# Altium PCB POT 10x8.PcbDoc (part 3 of 4)
Units mm, origin at the board's own origin, x right, y up, seen from the top; angles counter-clockwise.
Board outline 130 x 71 mm, 4 copper layers (Top Layer, Mid Layer 1, Mid Layer 2, Bottom Layer), stack 0.97 mm thick; 325 components, 354 nets, 1535 pads, 954 vias.
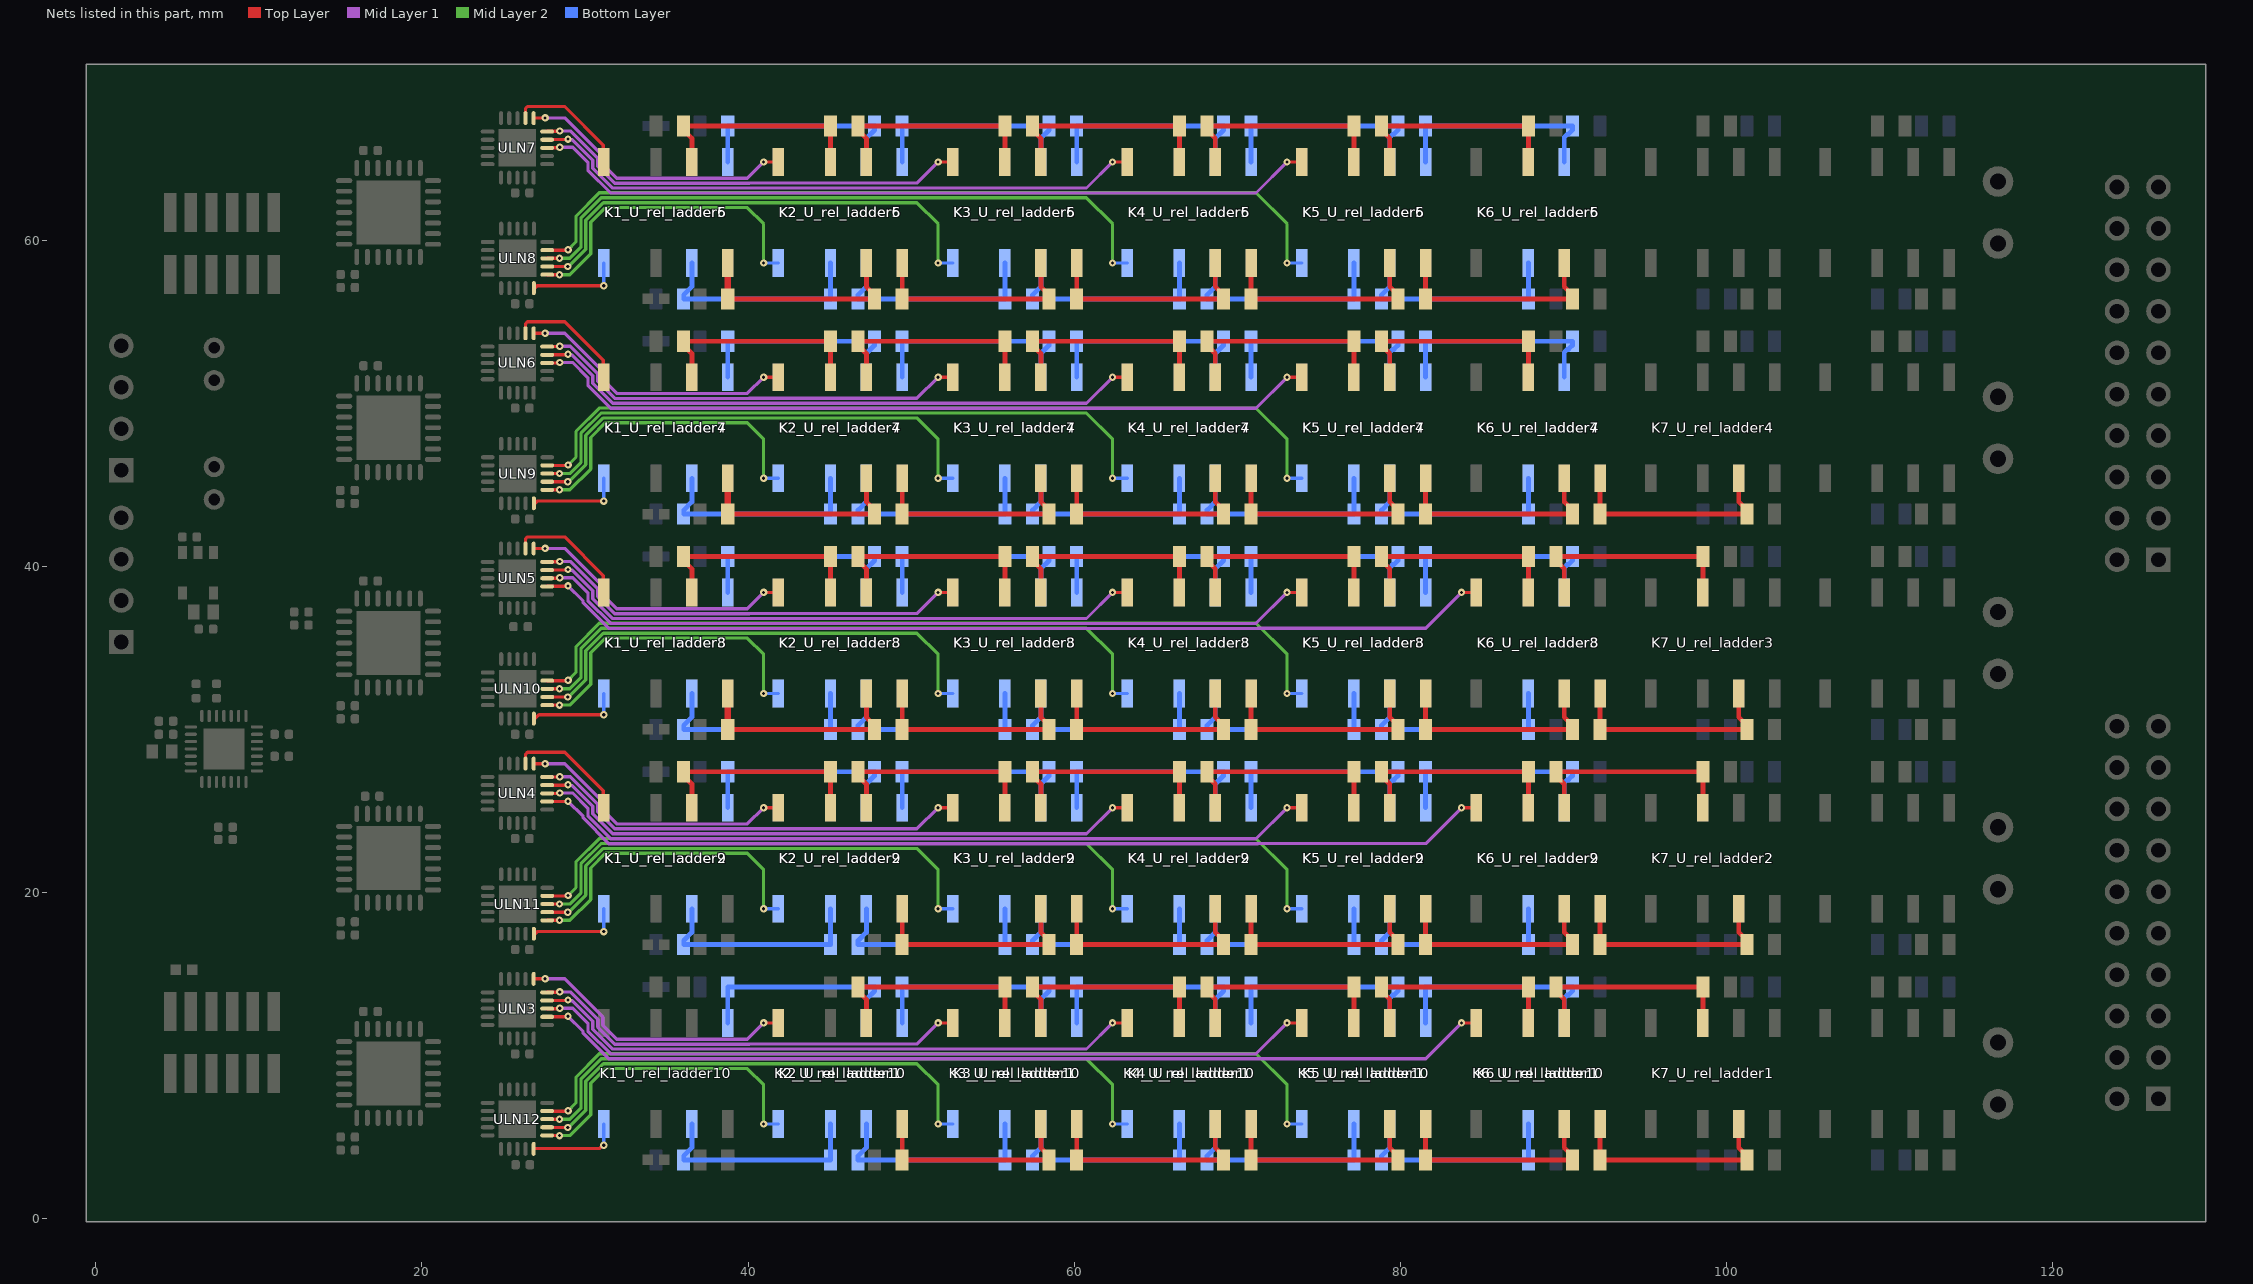
[diagram p5: the nets of this part, all layers, seen from the top]

## Via types
v1: diameter 0.45, hole 0.2, Top Layer to Bottom Layer, 851 vias
v2: diameter 0.5, hole 0.2, Top Layer to Bottom Layer, 85 vias
v3: diameter 0.8, hole 0.4, Top Layer to Bottom Layer, 10 vias
v4: diameter 0.66, hole 0.33, Top Layer to Bottom Layer, 4 vias
v5: diameter 5.5, hole 3, Top Layer to Bottom Layer, 4 vias

## Nets (pads, with @x,y where several pads share a name; then routed paths per layer and width w, separated by ;. In a path a pad name is that pad's centre, name@x,y a point inside that pad or via, vN(x,y) a via of type N, cw(c..) or ccw(c..) an arc to the next point about the centre after c; other vN are vias at no path point) (continued)
NetK1_U_rel_ladder2_6: K1_U_rel_ladder2.6 K2_U_rel_ladder2.7 R13_U_rel_ladder2.2 R15_U_rel_ladder2.1 | length 13.6
  Top Layer w0.3: K1_U_rel_ladder2.6@36.55,25.2 36.55,26.65 36.05,27.15 R15_U_rel_ladder2.1@36.05,27.4 R13_U_rel_ladder2.2@45.05,27.4 K2_U_rel_ladder2.7@45.05,25.2
NetK1_U_rel_ladder2_8: K1_U_rel_ladder2.8 ULN4.17 | length 7.4
  Top Layer w0.2: ULN4.17@26.35,27.9 26.35,28.483 26.467,28.6 28.75,28.6 31.117,26.233 31.117,25.233 K1_U_rel_ladder2.8@31.15,25.2
NetK1_U_rel_ladder3_4: K1_U_rel_ladder3.4 K2_U_rel_ladder3.3 R14_U_rel_ladder3.2 R16_U_rel_ladder3.1 | length 13.6
  Top Layer w0.3: R16_U_rel_ladder3.1@38.75,30 R14_U_rel_ladder3.2@47.75,30 47.75,30.25 47.25,30.75 K2_U_rel_ladder3.3@47.25,32.2
  Top Layer w0.381: R16_U_rel_ladder3.1@38.75,30 K1_U_rel_ladder3.4@38.75,32.2
NetK1_U_rel_ladder3_6: K1_U_rel_ladder3.6 K2_U_rel_ladder3.7 R13_U_rel_ladder3.2 R15_U_rel_ladder3.1 | length 13.6
  Top Layer w0.3: K1_U_rel_ladder3.6@36.55,38.4 36.55,39.85 36.05,40.35 R15_U_rel_ladder3.1@36.05,40.6 R13_U_rel_ladder3.2@45.05,40.6 K2_U_rel_ladder3.7@45.05,38.4
NetK1_U_rel_ladder3_8: K1_U_rel_ladder3.8 ULN5.17 | length 7.4
  Top Layer w0.2: ULN5.17@26.35,41.1 26.35,41.683 26.467,41.8 28.75,41.8 31.117,39.433 31.117,38.433 K1_U_rel_ladder3.8@31.15,38.4
NetK1_U_rel_ladder4_4: K1_U_rel_ladder4.4 K2_U_rel_ladder4.3 R14_U_rel_ladder4.2 R16_U_rel_ladder4.1 | length 13.6
  Top Layer w0.3: R16_U_rel_ladder4.1@38.75,43.2 R14_U_rel_ladder4.2@47.75,43.2 47.75,43.45 47.25,43.95 K2_U_rel_ladder4.3@47.25,45.4
  Top Layer w0.381: R16_U_rel_ladder4.1@38.75,43.2 K1_U_rel_ladder4.4@38.75,45.4
NetK1_U_rel_ladder4_6: K1_U_rel_ladder4.6 K2_U_rel_ladder4.7 R13_U_rel_ladder4.2 R15_U_rel_ladder4.1 | length 13.6
  Top Layer w0.3: K1_U_rel_ladder4.6@36.55,51.6 36.55,53.05 36.05,53.55 R15_U_rel_ladder4.1@36.05,53.8 R13_U_rel_ladder4.2@45.05,53.8 K2_U_rel_ladder4.7@45.05,51.6
NetK1_U_rel_ladder4_8: K1_U_rel_ladder4.8 ULN6.17 | length 7.4
  Top Layer w0.2: ULN6.17@26.35,54.3 26.35,54.883 26.467,55 28.75,55 31.117,52.633 31.117,51.633 K1_U_rel_ladder4.8@31.15,51.6
NetK1_U_rel_ladder5_4: K1_U_rel_ladder5.4 K2_U_rel_ladder5.3 R14_U_rel_ladder5.2 R16_U_rel_ladder5.1 | length 13.6
  Top Layer w0.3: R16_U_rel_ladder5.1@38.75,56.4 R14_U_rel_ladder5.2@47.75,56.4 47.75,56.65 47.25,57.15 K2_U_rel_ladder5.3@47.25,58.6
  Top Layer w0.381: R16_U_rel_ladder5.1@38.75,56.4 K1_U_rel_ladder5.4@38.75,58.6
NetK1_U_rel_ladder5_6: K1_U_rel_ladder5.6 K2_U_rel_ladder5.7 R13_U_rel_ladder5.2 R15_U_rel_ladder5.1 | length 13.6
  Top Layer w0.3: K1_U_rel_ladder5.6@36.55,64.8 36.55,66.25 36.05,66.75 R15_U_rel_ladder5.1@36.05,67 R13_U_rel_ladder5.2@45.05,67 K2_U_rel_ladder5.7@45.05,64.8
NetK1_U_rel_ladder5_8: K1_U_rel_ladder5.8 ULN7.17 | length 7.4
  Top Layer w0.2: ULN7.17@26.35,67.5 26.35,68.083 26.467,68.2 28.75,68.2 31.117,65.833 31.117,64.833 K1_U_rel_ladder5.8@31.15,64.8
NetK1_U_rel_ladder6_4: K1_U_rel_ladder6.4 K2_U_rel_ladder6.3 R14_U_rel_ladder6.2 R16_U_rel_ladder6.1 | length 13.6
  Bottom Layer w0.3: K1_U_rel_ladder6.4@38.75,64.8 R16_U_rel_ladder6.1@38.75,67 R14_U_rel_ladder6.2@47.75,67 47.75,66.75 47.25,66.25 K2_U_rel_ladder6.3@47.25,64.8
NetK1_U_rel_ladder6_6: K1_U_rel_ladder6.6 K2_U_rel_ladder6.7 R13_U_rel_ladder6.2 R15_U_rel_ladder6.1 | length 13.6
  Bottom Layer w0.3: K1_U_rel_ladder6.6@36.55,58.6 36.55,57.15 36.05,56.65 R15_U_rel_ladder6.1@36.05,56.4 R13_U_rel_ladder6.2@45.05,56.4 K2_U_rel_ladder6.7@45.05,58.6
NetK1_U_rel_ladder6_8: K1_U_rel_ladder6.8 ULN8.10 | length 5.8
  Top Layer w0.2: ULN8.10@26.859,57.063 26.859,57.036 26.882,57.013 27.069,57.2 v1(31.15,57.2)
  Bottom Layer w0.2: v1(31.15,57.2) K1_U_rel_ladder6.8@31.15,58.6
NetK1_U_rel_ladder7_4: K1_U_rel_ladder7.4 K2_U_rel_ladder7.3 R14_U_rel_ladder7.2 R16_U_rel_ladder7.1 | length 13.6
  Bottom Layer w0.3: K1_U_rel_ladder7.4@38.75,51.6 R16_U_rel_ladder7.1@38.75,53.8 R14_U_rel_ladder7.2@47.75,53.8 47.75,53.55 47.25,53.05 K2_U_rel_ladder7.3@47.25,51.6
NetK1_U_rel_ladder7_6: K1_U_rel_ladder7.6 K2_U_rel_ladder7.7 R13_U_rel_ladder7.2 R15_U_rel_ladder7.1 | length 13.6
  Bottom Layer w0.3: K1_U_rel_ladder7.6@36.55,45.4 36.55,43.95 36.05,43.45 R15_U_rel_ladder7.1@36.05,43.2 R13_U_rel_ladder7.2@45.05,43.2 K2_U_rel_ladder7.7@45.05,45.4
NetK1_U_rel_ladder7_8: K1_U_rel_ladder7.8 ULN9.10 | length 5.8
  Top Layer w0.2: ULN9.10@26.859,43.863 26.859,43.836 26.882,43.813 27.069,44 v1(31.15,44)
  Bottom Layer w0.2: v1(31.15,44) K1_U_rel_ladder7.8@31.15,45.4
NetK1_U_rel_ladder8_4: K1_U_rel_ladder8.4 K2_U_rel_ladder8.3 R14_U_rel_ladder8.2 R16_U_rel_ladder8.1 | length 13.6
  Bottom Layer w0.3: K1_U_rel_ladder8.4@38.75,38.4 R16_U_rel_ladder8.1@38.75,40.6 R14_U_rel_ladder8.2@47.75,40.6 47.75,40.35 47.25,39.85 K2_U_rel_ladder8.3@47.25,38.4
NetK1_U_rel_ladder8_6: K1_U_rel_ladder8.6 K2_U_rel_ladder8.7 R13_U_rel_ladder8.2 R15_U_rel_ladder8.1 | length 13.6
  Bottom Layer w0.3: K1_U_rel_ladder8.6@36.55,32.2 36.55,30.75 36.05,30.25 R15_U_rel_ladder8.1@36.05,30 R13_U_rel_ladder8.2@45.05,30 K2_U_rel_ladder8.7@45.05,32.2
NetK1_U_rel_ladder8_8: K1_U_rel_ladder8.8 ULN10.10 | length 5.7
  Top Layer w0.2: ULN10.10@26.859,30.663 26.859,30.636 26.882,30.613 27.169,30.9 v1(31.15,30.9)
  Bottom Layer w0.2: v1(31.15,30.9) K1_U_rel_ladder8.8@31.15,32.2
NetK1_U_rel_ladder9_4: K1_U_rel_ladder9.4 K2_U_rel_ladder9.3 R14_U_rel_ladder9.2 R16_U_rel_ladder9.1 | length 13.6
  Bottom Layer w0.3: K1_U_rel_ladder9.4@38.75,25.2 R16_U_rel_ladder9.1@38.75,27.4 R14_U_rel_ladder9.2@47.75,27.4 47.75,27.15 47.25,26.65 K2_U_rel_ladder9.3@47.25,25.2
NetK1_U_rel_ladder9_6: K1_U_rel_ladder9.6 K2_U_rel_ladder9.7 R13_U_rel_ladder9.2 R15_U_rel_ladder9.1 | length 13.6
  Bottom Layer w0.3: K1_U_rel_ladder9.6@36.55,19 36.55,17.55 36.05,17.05 R15_U_rel_ladder9.1@36.05,16.8 R13_U_rel_ladder9.2@45.05,16.8 K2_U_rel_ladder9.7@45.05,19
NetK1_U_rel_ladder9_8: K1_U_rel_ladder9.8 ULN11.10 | length 5.8
  Top Layer w0.2: ULN11.10@26.859,17.463 26.859,17.436 26.882,17.413 27.069,17.6 v1(31.15,17.6)
  Bottom Layer w0.2: v1(31.15,17.6) K1_U_rel_ladder9.8@31.15,19
NetK1_U_rel_ladder10_4: K1_U_rel_ladder10.4 K2_U_rel_ladder10.3 R14_U_rel_ladder10.2 R16_U_rel_ladder10.1 | length 13.6
  Bottom Layer w0.3: K1_U_rel_ladder10.4@38.75,12 R16_U_rel_ladder10.1@38.75,14.2 R14_U_rel_ladder10.2@47.75,14.2 47.75,13.95 47.25,13.45 K2_U_rel_ladder10.3@47.25,12
NetK1_U_rel_ladder10_6: K1_U_rel_ladder10.6 K2_U_rel_ladder10.7 R13_U_rel_ladder10.2 R15_U_rel_ladder10.1 | length 13.6
  Bottom Layer w0.3: K1_U_rel_ladder10.6@36.55,5.8 36.55,4.35 36.05,3.85 R15_U_rel_ladder10.1@36.05,3.6 R13_U_rel_ladder10.2@45.05,3.6 K2_U_rel_ladder10.7@45.05,5.8
NetK1_U_rel_ladder10_8: K1_U_rel_ladder10.8 ULN12.10 | length 5.7
  Top Layer w0.2: ULN12.10@26.85,4.275 26.85,4.277 26.873,4.3 30.894,4.3 31.094,4.5 v1(31.15,4.5)
  Bottom Layer w0.2: v1(31.15,4.5) K1_U_rel_ladder10.8@31.15,5.8
NetK2_U_rel_ladder1_4: K2_U_rel_ladder1.4 K3_U_rel_ladder1.3 R12_U_rel_ladder1.2 R14_U_rel_ladder1.1 | length 13.6
  Top Layer w0.3: K2_U_rel_ladder1.4@49.45,5.8 R14_U_rel_ladder1.1@49.45,3.6 R12_U_rel_ladder1.2@58.45,3.6 58.45,3.85 57.95,4.35 K3_U_rel_ladder1.3@57.95,5.8
NetK2_U_rel_ladder1_6: K2_U_rel_ladder1.6 K3_U_rel_ladder1.7 R11_U_rel_ladder1.2 R13_U_rel_ladder1.1 | length 13.6
  Top Layer w0.3: K2_U_rel_ladder1.6@47.25,12 47.25,13.45 46.75,13.95 R13_U_rel_ladder1.1@46.75,14.2 R11_U_rel_ladder1.2@55.75,14.2 K3_U_rel_ladder1.7@55.75,12
NetK2_U_rel_ladder1_8: K2_U_rel_ladder1.8 ULN3.16 | length 17.2
  Top Layer w0.2: ULN3.16@26.85,14.7 v1(27.55,14.7) ; v1(40.95,12) K2_U_rel_ladder1.8@41.85,12
  Mid Layer 1 w0.2: v1(27.55,14.7) 28.75,14.7 31.083,12.367 31.083,11.867 31.95,11 39.95,11 v1(40.95,12)
NetK2_U_rel_ladder2_4: K2_U_rel_ladder2.4 K3_U_rel_ladder2.3 R12_U_rel_ladder2.2 R14_U_rel_ladder2.1 | length 13.6
  Top Layer w0.3: K2_U_rel_ladder2.4@49.45,19 R14_U_rel_ladder2.1@49.45,16.8 R12_U_rel_ladder2.2@58.45,16.8 58.45,17.05 57.95,17.55 K3_U_rel_ladder2.3@57.95,19
NetK2_U_rel_ladder2_6: K2_U_rel_ladder2.6 K3_U_rel_ladder2.7 R11_U_rel_ladder2.2 R13_U_rel_ladder2.1 | length 13.6
  Top Layer w0.3: K2_U_rel_ladder2.6@47.25,25.2 47.25,26.65 46.75,27.15 R13_U_rel_ladder2.1@46.75,27.4 R11_U_rel_ladder2.2@55.75,27.4 K3_U_rel_ladder2.7@55.75,25.2
NetK2_U_rel_ladder2_8: K2_U_rel_ladder2.8 ULN4.16 | length 17.2
  Top Layer w0.2: ULN4.16@26.85,27.9 v1(27.55,27.9) ; v1(40.95,25.2) K2_U_rel_ladder2.8@41.85,25.2
  Mid Layer 1 w0.2: v1(27.55,27.9) 28.75,27.9 31.083,25.567 31.083,25.067 31.95,24.2 39.95,24.2 v1(40.95,25.2)
NetK2_U_rel_ladder3_4: K2_U_rel_ladder3.4 K3_U_rel_ladder3.3 R12_U_rel_ladder3.2 R14_U_rel_ladder3.1 | length 13.6
  Top Layer w0.3: K2_U_rel_ladder3.4@49.45,32.2 R14_U_rel_ladder3.1@49.45,30 R12_U_rel_ladder3.2@58.45,30 58.45,30.25 57.95,30.75 K3_U_rel_ladder3.3@57.95,32.2
NetK2_U_rel_ladder3_6: K2_U_rel_ladder3.6 K3_U_rel_ladder3.7 R11_U_rel_ladder3.2 R13_U_rel_ladder3.1 | length 13.6
  Top Layer w0.3: K2_U_rel_ladder3.6@47.25,38.4 47.25,39.85 46.75,40.35 R13_U_rel_ladder3.1@46.75,40.6 R11_U_rel_ladder3.2@55.75,40.6 K3_U_rel_ladder3.7@55.75,38.4
NetK2_U_rel_ladder3_8: K2_U_rel_ladder3.8 ULN5.16 | length 17.2
  Top Layer w0.2: ULN5.16@26.85,41.1 v1(27.55,41.1) ; v1(40.95,38.4) K2_U_rel_ladder3.8@41.85,38.4
  Mid Layer 1 w0.2: v1(27.55,41.1) 28.75,41.1 31.083,38.767 31.083,38.267 31.95,37.4 39.95,37.4 v1(40.95,38.4)
NetK2_U_rel_ladder4_4: K2_U_rel_ladder4.4 K3_U_rel_ladder4.3 R12_U_rel_ladder4.2 R14_U_rel_ladder4.1 | length 13.6
  Top Layer w0.3: K2_U_rel_ladder4.4@49.45,45.4 R14_U_rel_ladder4.1@49.45,43.2 R12_U_rel_ladder4.2@58.45,43.2 58.45,43.45 57.95,43.95 K3_U_rel_ladder4.3@57.95,45.4
NetK2_U_rel_ladder4_6: K2_U_rel_ladder4.6 K3_U_rel_ladder4.7 R11_U_rel_ladder4.2 R13_U_rel_ladder4.1 | length 13.6
  Top Layer w0.3: K2_U_rel_ladder4.6@47.25,51.6 47.25,53.05 46.75,53.55 R13_U_rel_ladder4.1@46.75,53.8 R11_U_rel_ladder4.2@55.75,53.8 K3_U_rel_ladder4.7@55.75,51.6
NetK2_U_rel_ladder4_8: K2_U_rel_ladder4.8 ULN6.16 | length 17.2
  Top Layer w0.2: ULN6.16@26.85,54.3 v1(27.55,54.3) ; v1(40.95,51.6) K2_U_rel_ladder4.8@41.85,51.6
  Mid Layer 1 w0.2: v1(27.55,54.3) 28.75,54.3 31.083,51.967 31.083,51.467 31.95,50.6 39.95,50.6 v1(40.95,51.6)
NetK2_U_rel_ladder5_4: K2_U_rel_ladder5.4 K3_U_rel_ladder5.3 R12_U_rel_ladder5.2 R14_U_rel_ladder5.1 | length 13.6
  Top Layer w0.3: K2_U_rel_ladder5.4@49.45,58.6 R14_U_rel_ladder5.1@49.45,56.4 R12_U_rel_ladder5.2@58.45,56.4 58.45,56.65 57.95,57.15 K3_U_rel_ladder5.3@57.95,58.6
NetK2_U_rel_ladder5_6: K2_U_rel_ladder5.6 K3_U_rel_ladder5.7 R11_U_rel_ladder5.2 R13_U_rel_ladder5.1 | length 13.6
  Top Layer w0.3: K2_U_rel_ladder5.6@47.25,64.8 47.25,66.25 46.75,66.75 R13_U_rel_ladder5.1@46.75,67 R11_U_rel_ladder5.2@55.75,67 K3_U_rel_ladder5.7@55.75,64.8
NetK2_U_rel_ladder5_8: K2_U_rel_ladder5.8 ULN7.16 | length 17.2
  Top Layer w0.2: ULN7.16@26.85,67.5 v1(27.55,67.5) ; v1(40.95,64.8) K2_U_rel_ladder5.8@41.85,64.8
  Mid Layer 1 w0.2: v1(27.55,67.5) 28.75,67.5 31.083,65.167 31.083,64.667 31.95,63.8 39.95,63.8 v1(40.95,64.8)
NetK2_U_rel_ladder6_4: K2_U_rel_ladder6.4 K3_U_rel_ladder6.3 R12_U_rel_ladder6.2 R14_U_rel_ladder6.1 | length 13.6
  Bottom Layer w0.3: K2_U_rel_ladder6.4@49.45,64.8 R14_U_rel_ladder6.1@49.45,67 R12_U_rel_ladder6.2@58.45,67 58.45,66.75 57.95,66.25 K3_U_rel_ladder6.3@57.95,64.8
NetK2_U_rel_ladder6_6: K2_U_rel_ladder6.6 K3_U_rel_ladder6.7 R11_U_rel_ladder6.2 R13_U_rel_ladder6.1 | length 13.6
  Bottom Layer w0.3: K2_U_rel_ladder6.6@47.25,58.6 47.25,57.15 46.75,56.65 R13_U_rel_ladder6.1@46.75,56.4 R11_U_rel_ladder6.2@55.75,56.4 K3_U_rel_ladder6.7@55.75,58.6
NetK2_U_rel_ladder6_8: K2_U_rel_ladder6.8 ULN8.11 | length 19.8
  Top Layer w0.2: ULN8.11@27.684,57.888 v1(28.434,57.888)
  Mid Layer 2 w0.2: v1(28.434,57.888) 29.073,57.888 30.35,59.165 30.35,61.1 31.25,62 39.95,62 40.95,61 v1(40.95,58.6)
  Bottom Layer w0.2: v1(40.95,58.6) K2_U_rel_ladder6.8@41.85,58.6
NetK2_U_rel_ladder7_4: K2_U_rel_ladder7.4 K3_U_rel_ladder7.3 R12_U_rel_ladder7.2 R14_U_rel_ladder7.1 | length 13.6
  Bottom Layer w0.3: K2_U_rel_ladder7.4@49.45,51.6 R14_U_rel_ladder7.1@49.45,53.8 R12_U_rel_ladder7.2@58.45,53.8 58.45,53.55 57.95,53.05 K3_U_rel_ladder7.3@57.95,51.6
NetK2_U_rel_ladder7_6: K2_U_rel_ladder7.6 K3_U_rel_ladder7.7 R11_U_rel_ladder7.2 R13_U_rel_ladder7.1 | length 13.6
  Bottom Layer w0.3: K2_U_rel_ladder7.6@47.25,45.4 47.25,43.95 46.75,43.45 R13_U_rel_ladder7.1@46.75,43.2 R11_U_rel_ladder7.2@55.75,43.2 K3_U_rel_ladder7.7@55.75,45.4
NetK2_U_rel_ladder7_8: K2_U_rel_ladder7.8 ULN9.11 | length 19.8
  Top Layer w0.2: ULN9.11@27.684,44.688 v1(28.434,44.688)
  Mid Layer 2 w0.2: v1(28.434,44.688) 29.073,44.688 30.35,45.965 30.35,47.9 31.25,48.8 39.95,48.8 40.95,47.8 v1(40.95,45.4)
  Bottom Layer w0.2: v1(40.95,45.4) K2_U_rel_ladder7.8@41.85,45.4
NetK2_U_rel_ladder8_4: K2_U_rel_ladder8.4 K3_U_rel_ladder8.3 R12_U_rel_ladder8.2 R14_U_rel_ladder8.1 | length 13.6
  Bottom Layer w0.3: K2_U_rel_ladder8.4@49.45,38.4 R14_U_rel_ladder8.1@49.45,40.6 R12_U_rel_ladder8.2@58.45,40.6 58.45,40.35 57.95,39.85 K3_U_rel_ladder8.3@57.95,38.4
NetK2_U_rel_ladder8_6: K2_U_rel_ladder8.6 K3_U_rel_ladder8.7 R11_U_rel_ladder8.2 R13_U_rel_ladder8.1 | length 13.6
  Bottom Layer w0.3: K2_U_rel_ladder8.6@47.25,32.2 47.25,30.75 46.75,30.25 R13_U_rel_ladder8.1@46.75,30 R11_U_rel_ladder8.2@55.75,30 K3_U_rel_ladder8.7@55.75,32.2
NetK2_U_rel_ladder8_8: K2_U_rel_ladder8.8 ULN10.11 | length 19.8
  Top Layer w0.2: ULN10.11@27.684,31.488 v1(28.434,31.488)
  Mid Layer 2 w0.2: v1(28.434,31.488) 29.073,31.488 30.35,32.765 30.35,34.7 31.25,35.6 39.95,35.6 40.95,34.6 v1(40.95,32.2)
  Bottom Layer w0.2: v1(40.95,32.2) K2_U_rel_ladder8.8@41.85,32.2
NetK2_U_rel_ladder9_4: K2_U_rel_ladder9.4 K3_U_rel_ladder9.3 R12_U_rel_ladder9.2 R14_U_rel_ladder9.1 | length 13.6
  Bottom Layer w0.3: K2_U_rel_ladder9.4@49.45,25.2 R14_U_rel_ladder9.1@49.45,27.4 R12_U_rel_ladder9.2@58.45,27.4 58.45,27.15 57.95,26.65 K3_U_rel_ladder9.3@57.95,25.2
NetK2_U_rel_ladder9_6: K2_U_rel_ladder9.6 K3_U_rel_ladder9.7 R11_U_rel_ladder9.2 R13_U_rel_ladder9.1 | length 13.6
  Bottom Layer w0.3: K2_U_rel_ladder9.6@47.25,19 47.25,17.55 46.75,17.05 R13_U_rel_ladder9.1@46.75,16.8 R11_U_rel_ladder9.2@55.75,16.8 K3_U_rel_ladder9.7@55.75,19
NetK2_U_rel_ladder9_8: K2_U_rel_ladder9.8 ULN11.11 | length 19.8
  Top Layer w0.2: ULN11.11@27.684,18.288 v1(28.434,18.288)
  Mid Layer 2 w0.2: v1(28.434,18.288) 29.073,18.288 30.35,19.565 30.35,21.5 31.25,22.4 39.95,22.4 40.95,21.4 v1(40.95,19)
  Bottom Layer w0.2: v1(40.95,19) K2_U_rel_ladder9.8@41.85,19
NetK2_U_rel_ladder10_4: K2_U_rel_ladder10.4 K3_U_rel_ladder10.3 R12_U_rel_ladder10.2 R14_U_rel_ladder10.1 | length 13.6
  Bottom Layer w0.3: K2_U_rel_ladder10.4@49.45,12 R14_U_rel_ladder10.1@49.45,14.2 R12_U_rel_ladder10.2@58.45,14.2 58.45,13.95 57.95,13.45 K3_U_rel_ladder10.3@57.95,12
NetK2_U_rel_ladder10_6: K2_U_rel_ladder10.6 K3_U_rel_ladder10.7 R11_U_rel_ladder10.2 R13_U_rel_ladder10.1 | length 13.6
  Bottom Layer w0.3: K2_U_rel_ladder10.6@47.25,5.8 47.25,4.35 46.75,3.85 R13_U_rel_ladder10.1@46.75,3.6 R11_U_rel_ladder10.2@55.75,3.6 K3_U_rel_ladder10.7@55.75,5.8
NetK2_U_rel_ladder10_8: K2_U_rel_ladder10.8 ULN12.11 | length 19.8
  Top Layer w0.2: ULN12.11@27.684,5.088 v1(28.434,5.088)
  Mid Layer 2 w0.2: v1(28.434,5.088) 29.073,5.088 30.35,6.365 30.35,8.3 31.25,9.2 39.95,9.2 40.95,8.2 v1(40.95,5.8)
  Bottom Layer w0.2: v1(40.95,5.8) K2_U_rel_ladder10.8@41.85,5.8
NetK3_U_rel_ladder1_4: K3_U_rel_ladder1.4 K4_U_rel_ladder1.3 R10_U_rel_ladder1.2 R12_U_rel_ladder1.1 | length 13.6
  Top Layer w0.3: K3_U_rel_ladder1.4@60.15,5.8 R12_U_rel_ladder1.1@60.15,3.6 R10_U_rel_ladder1.2@69.15,3.6 69.15,3.85 68.65,4.35 K4_U_rel_ladder1.3@68.65,5.8
NetK3_U_rel_ladder1_6: K3_U_rel_ladder1.6 K4_U_rel_ladder1.7 R9_U_rel_ladder1.2 R11_U_rel_ladder1.1 | length 13.6
  Top Layer w0.3: K3_U_rel_ladder1.6@57.95,12 57.95,13.45 57.45,13.95 R11_U_rel_ladder1.1@57.45,14.2 R9_U_rel_ladder1.2@66.45,14.2 K4_U_rel_ladder1.7@66.45,12
NetK3_U_rel_ladder1_8: K3_U_rel_ladder1.8 ULN3.15 | length 27
  Top Layer w0.2: ULN3.15@27.675,13.875 28.425,13.875 v1(28.45,13.9) ; v1(51.65,12) K3_U_rel_ladder1.8@52.55,12
  Mid Layer 1 w0.2: v1(28.45,13.9) 29.103,13.9 30.781,12.222 30.781,11.742 31.825,10.698 40.075,10.698 40.077,10.7 50.35,10.7 v1(51.65,12)
NetK3_U_rel_ladder2_4: K3_U_rel_ladder2.4 K4_U_rel_ladder2.3 R10_U_rel_ladder2.2 R12_U_rel_ladder2.1 | length 13.6
  Top Layer w0.3: K3_U_rel_ladder2.4@60.15,19 R12_U_rel_ladder2.1@60.15,16.8 R10_U_rel_ladder2.2@69.15,16.8 69.15,17.05 68.65,17.55 K4_U_rel_ladder2.3@68.65,19
NetK3_U_rel_ladder2_6: K3_U_rel_ladder2.6 K4_U_rel_ladder2.7 R9_U_rel_ladder2.2 R11_U_rel_ladder2.1 | length 13.6
  Top Layer w0.3: K3_U_rel_ladder2.6@57.95,25.2 57.95,26.65 57.45,27.15 R11_U_rel_ladder2.1@57.45,27.4 R9_U_rel_ladder2.2@66.45,27.4 K4_U_rel_ladder2.7@66.45,25.2
NetK3_U_rel_ladder2_8: K3_U_rel_ladder2.8 ULN4.15 | length 27
  Top Layer w0.2: ULN4.15@27.675,27.075 28.425,27.075 v1(28.45,27.1) ; v1(51.65,25.2) K3_U_rel_ladder2.8@52.55,25.2
  Mid Layer 1 w0.2: v1(28.45,27.1) 29.103,27.1 30.781,25.422 30.781,24.942 31.825,23.898 40.075,23.898 40.077,23.9 50.35,23.9 v1(51.65,25.2)
NetK3_U_rel_ladder3_4: K3_U_rel_ladder3.4 K4_U_rel_ladder3.3 R10_U_rel_ladder3.2 R12_U_rel_ladder3.1 | length 13.6
  Top Layer w0.3: K3_U_rel_ladder3.4@60.15,32.2 R12_U_rel_ladder3.1@60.15,30 R10_U_rel_ladder3.2@69.15,30 69.15,30.25 68.65,30.75 K4_U_rel_ladder3.3@68.65,32.2
NetK3_U_rel_ladder3_6: K3_U_rel_ladder3.6 K4_U_rel_ladder3.7 R9_U_rel_ladder3.2 R11_U_rel_ladder3.1 | length 13.6
  Top Layer w0.3: K3_U_rel_ladder3.6@57.95,38.4 57.95,39.85 57.45,40.35 R11_U_rel_ladder3.1@57.45,40.6 R9_U_rel_ladder3.2@66.45,40.6 K4_U_rel_ladder3.7@66.45,38.4
NetK3_U_rel_ladder3_8: K3_U_rel_ladder3.8 ULN5.15 | length 27
  Top Layer w0.2: ULN5.15@27.675,40.275 28.425,40.275 v1(28.45,40.3) ; v1(51.65,38.4) K3_U_rel_ladder3.8@52.55,38.4
  Mid Layer 1 w0.2: v1(28.45,40.3) 29.103,40.3 30.781,38.622 30.781,38.142 31.825,37.098 40.075,37.098 40.077,37.1 50.35,37.1 v1(51.65,38.4)
NetK3_U_rel_ladder4_4: K3_U_rel_ladder4.4 K4_U_rel_ladder4.3 R10_U_rel_ladder4.2 R12_U_rel_ladder4.1 | length 13.6
  Top Layer w0.3: K3_U_rel_ladder4.4@60.15,45.4 R12_U_rel_ladder4.1@60.15,43.2 R10_U_rel_ladder4.2@69.15,43.2 69.15,43.45 68.65,43.95 K4_U_rel_ladder4.3@68.65,45.4
NetK3_U_rel_ladder4_6: K3_U_rel_ladder4.6 K4_U_rel_ladder4.7 R9_U_rel_ladder4.2 R11_U_rel_ladder4.1 | length 13.6
  Top Layer w0.3: K3_U_rel_ladder4.6@57.95,51.6 57.95,53.05 57.45,53.55 R11_U_rel_ladder4.1@57.45,53.8 R9_U_rel_ladder4.2@66.45,53.8 K4_U_rel_ladder4.7@66.45,51.6
NetK3_U_rel_ladder4_8: K3_U_rel_ladder4.8 ULN6.15 | length 27
  Top Layer w0.2: ULN6.15@27.675,53.475 28.425,53.475 v1(28.45,53.5) ; v1(51.65,51.6) K3_U_rel_ladder4.8@52.55,51.6
  Mid Layer 1 w0.2: v1(28.45,53.5) 29.103,53.5 30.781,51.822 30.781,51.342 31.825,50.298 40.075,50.298 40.077,50.3 50.35,50.3 v1(51.65,51.6)
NetK3_U_rel_ladder5_4: K3_U_rel_ladder5.4 K4_U_rel_ladder5.3 R10_U_rel_ladder5.2 R12_U_rel_ladder5.1 | length 13.6
  Top Layer w0.3: K3_U_rel_ladder5.4@60.15,58.6 R12_U_rel_ladder5.1@60.15,56.4 R10_U_rel_ladder5.2@69.15,56.4 69.15,56.65 68.65,57.15 K4_U_rel_ladder5.3@68.65,58.6